# KiCad board Marble.kicad_pcb (continued)
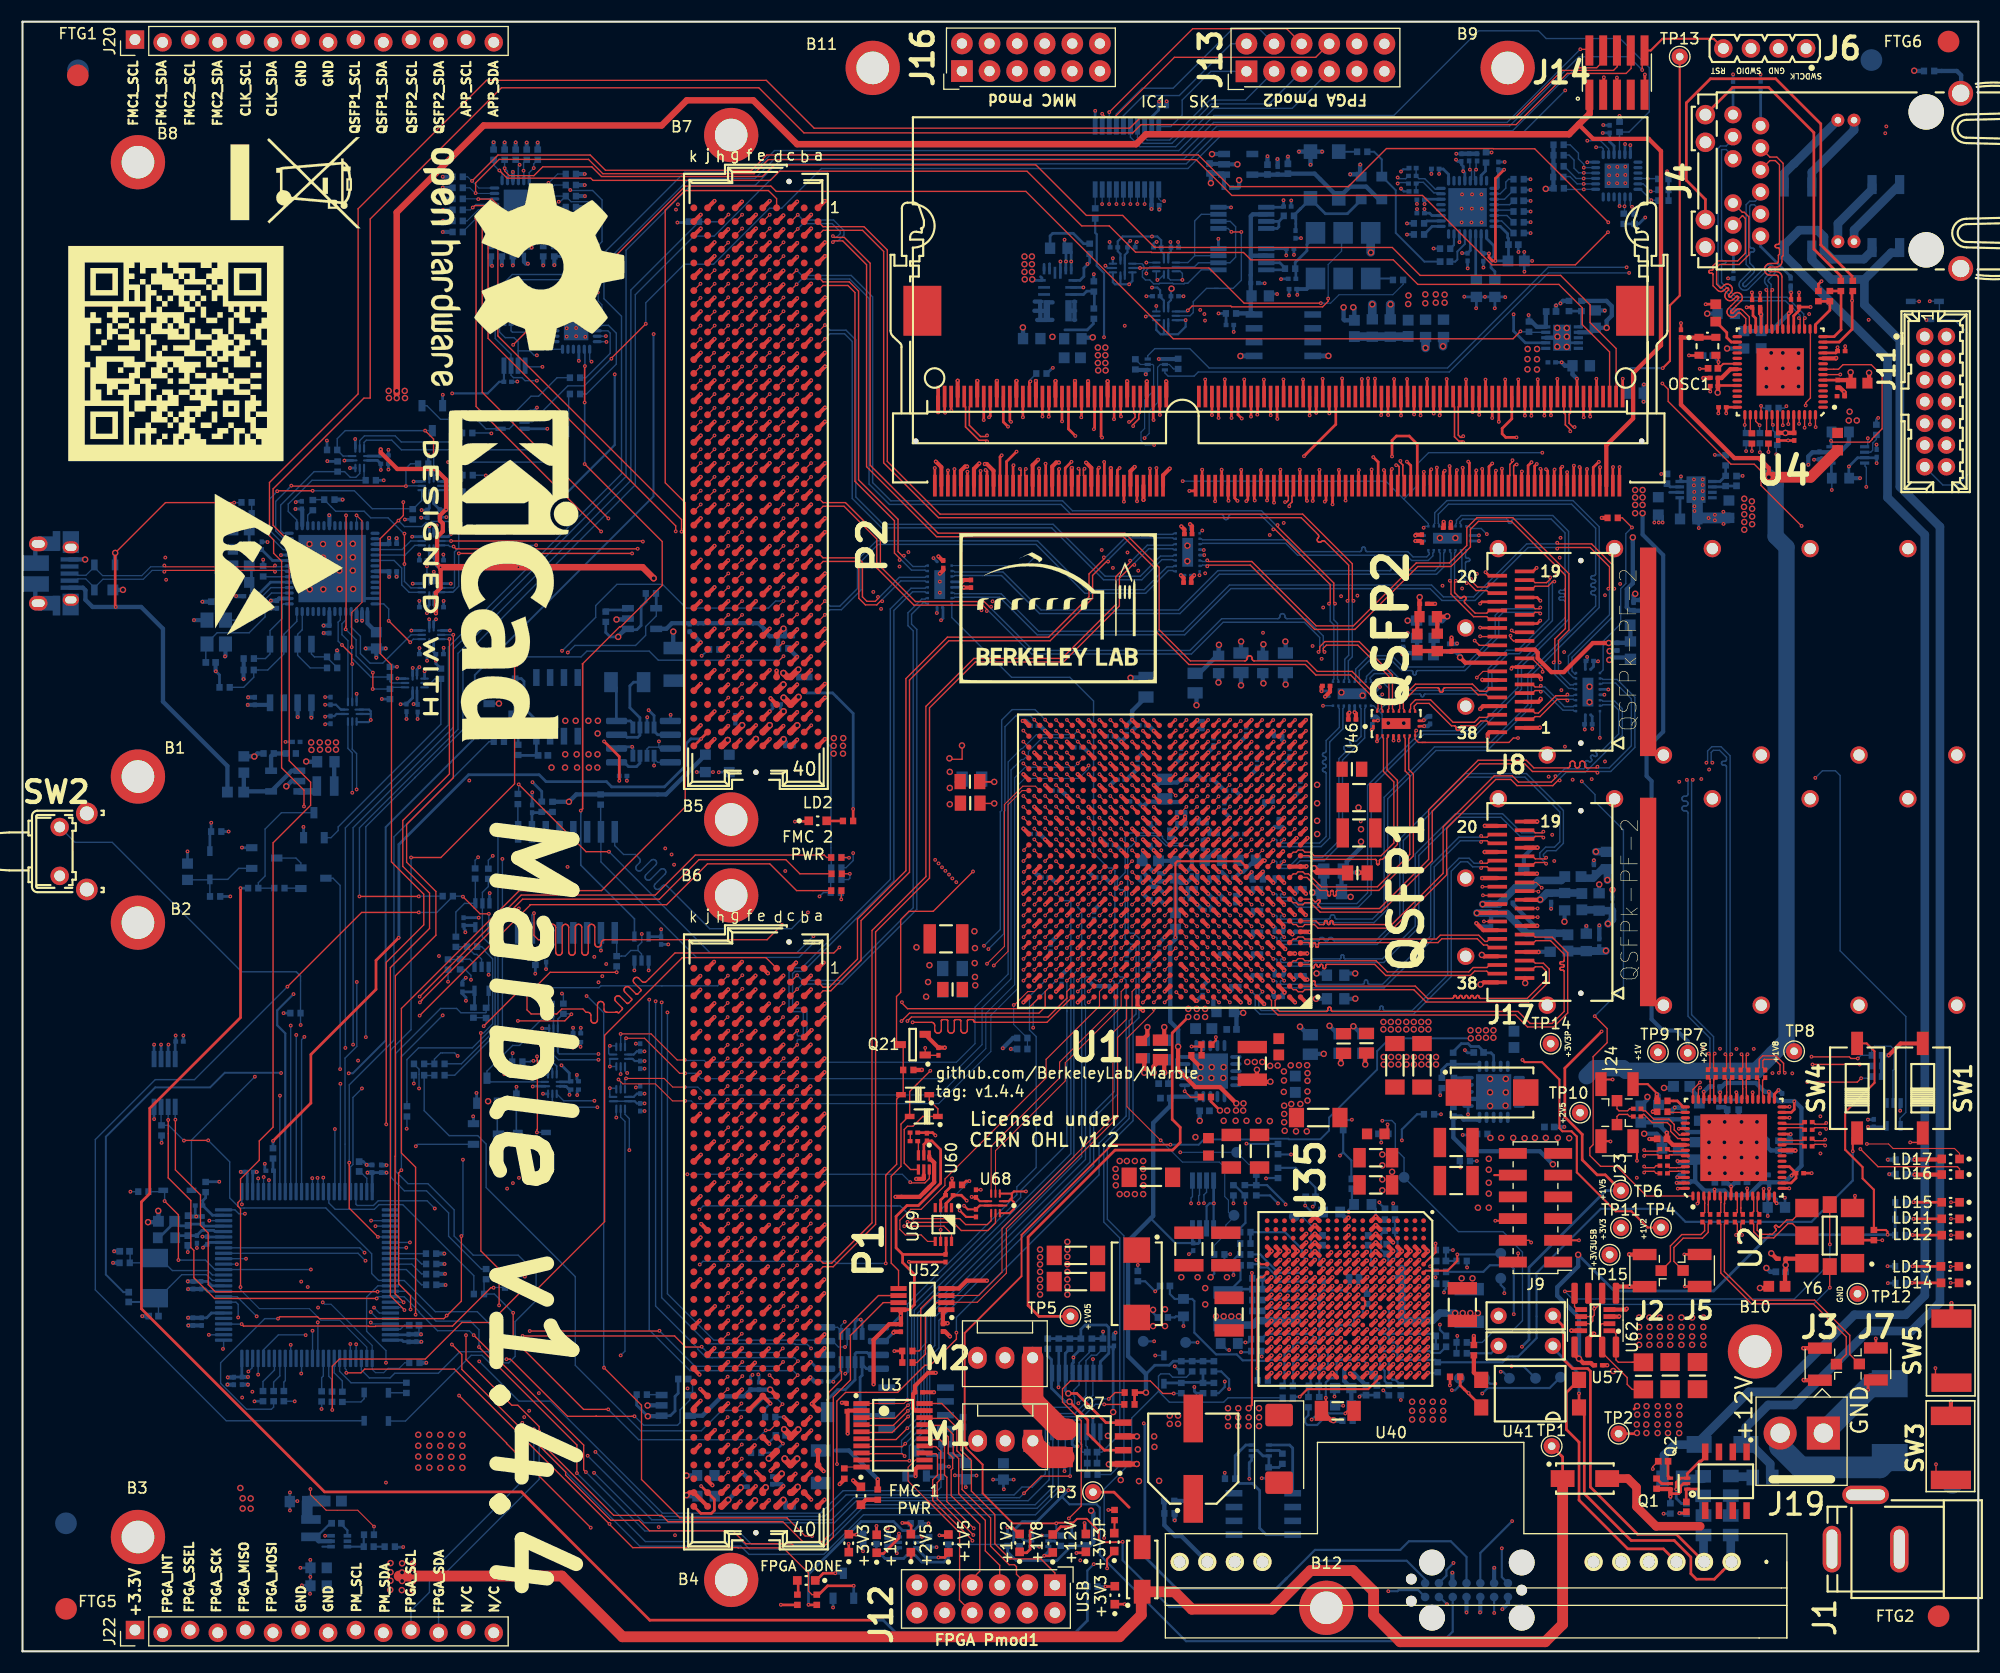
[diagram p0: board, top side]
## Routing (per net, layer and track width the routed paths; a pad name or vN(x,y) marks a point on that pad's centre or on a via; arc(x,y) is an arc through that point) (continued)
/FPGA/DDR3_DQ45: length 39.6
  Top w0.254: U1.AE6 v1(113.12,84.73) ; SK1.148 130.47,113.81 v1(130.43,113.77)
  In7.Cu w0.135: v1(130.43,113.77) 127.8,111.14 126.17,111.14 125.64,110.61 125.64,108.57 117.04,99.96 117.04,91.24 113.47,87.67 113.47,85.08 v1(113.12,84.73)
/FPGA/DDR3_DQ46: length 39.6
  Top w0.254: SK1.158 133.47,114.08 v1(133.46,114.07) ; U1.AF3 v1(116.12,85.73)
  In2.Cu w0.135: v1(116.12,85.73) 116.12,87.96 118.32,90.16 118.32,93.53 119.15,94.35 119.15,99.23 128.17,108.25 128.17,109.2 130.6,111.63 130.62,111.65 130.64,111.66 130.67,111.66 130.7,111.66 130.72,111.66 130.75,111.65 130.79,111.61 130.82,111.6 130.84,111.59 130.87,111.59 130.9,111.6 130.92,111.61 130.94,111.63 131.2,111.88 131.21,111.9 131.22,111.93 131.23,111.95 131.23,111.98 131.22,112.01 131.21,112.03 131.2,112.05 131.11,112.14 131.13,112.16 130.71,112.58 130.67,112.63 130.64,112.69 130.62,112.76 130.62,112.83 130.64,112.89 130.67,112.95 130.71,113.01 130.76,113.05 130.82,113.08 130.89,113.09 130.95,113.09 131.02,113.08 131.08,113.05 131.13,113.01 131.34,112.8 131.39,112.75 131.45,112.73 131.52,112.71 131.59,112.71 131.65,112.73 131.71,112.75 131.76,112.8 133.04,114.07 v1(133.46,114.07)
/FPGA/DDR3_DQ47: length 39.7
  Top w0.2: 116.11,84.73 v1(116.13,84.73)
  Top w0.254: SK1.160 134.07,113.82 v1(134.07,113.82) ; U1.AE3 116.11,84.73
  In2.Cu w0.135: v1(116.13,84.73) 116.58,85.18 116.58,87.63 123.31,94.36 123.31,102.66 128.61,107.95 128.61,108.86 132.52,112.77 133.84,112.77 134.07,113 v1(134.07,113.82)
/FPGA/DDR3_DQ48: length 49.2
  Top w0.254: U1.AA3 v1(116.12,80.73) ; SK1.163 134.97,109.04 v1(135.26,109.34)
  In4.Cu w0.135: v1(116.12,80.73) 116.47,81.08 116.47,81.11 116.71,81.35 120.28,81.35 123.05,84.12 123.05,85.25 127.62,89.82 127.62,92.04 126.44,93.22 126.44,97.21 131.24,102.01 132.09,102.01 133.65,103.57 133.66,103.58 133.68,103.59 133.7,103.59 133.72,103.59 133.74,103.59 133.76,103.58 133.79,103.56 133.81,103.55 133.83,103.54 133.85,103.54 133.87,103.55 133.88,103.56 133.9,103.57 134.2,103.87 134.21,103.88 134.22,103.9 134.22,103.92 134.22,103.94 134.22,103.96 134.21,103.98 134.2,103.99 133.69,104.5 133.65,104.55 133.62,104.61 133.6,104.68 133.6,104.75 133.62,104.81 133.65,104.87 133.69,104.92 133.74,104.97 133.8,104.99 133.87,105.01 133.94,105.01 134,104.99 134.06,104.97 134.12,104.92 134.35,104.69 134.4,104.65 134.46,104.62 134.53,104.61 134.59,104.61 134.66,104.62 134.72,104.65 134.77,104.69 135.09,105.01 135.09,105.37 135.08,105.44 135.06,105.5 135.02,105.56 134.98,105.61 134.92,105.64 134.86,105.67 134.79,105.67 134.46,105.67 134.39,105.68 134.33,105.7 134.27,105.74 134.23,105.79 134.19,105.84 134.17,105.91 134.16,105.97 134.17,106.04 134.19,106.1 134.23,106.16 134.27,106.21 134.33,106.24 134.39,106.27 134.46,106.27 135.72,106.27 135.79,106.28 135.85,106.3 135.91,106.34 135.95,106.39 135.99,106.44 136.01,106.51 136.02,106.57 136.01,106.64 135.99,106.7 135.95,106.76 135.91,106.81 135.85,106.84 135.79,106.87 135.72,106.87 134.46,106.87 134.39,106.88 134.33,106.9 134.27,106.94 134.23,106.99 134.19,107.04 134.17,107.11 134.16,107.17 134.17,107.24 134.19,107.3 134.23,107.36 134.27,107.41 134.33,107.44 134.39,107.47 134.46,107.47 134.79,107.47 134.86,107.48 134.92,107.5 134.98,107.54 135.02,107.59 135.06,107.64 135.08,107.71 135.09,107.77 135.09,109.16 v1(135.26,109.34)
  In7.Cu w0.112: v1(116.12,80.73) 116.12,80.75
/FPGA/DDR3_DQ49: length 48.5
  Top w0.254: U1.AC2 v1(117.12,82.73) ; SK1.165 135.57,108.64 v1(135.61,108.68)
  In7.Cu w0.135: v1(135.61,108.68) 134.92,108.68 134.25,108.01 134.2,107.97 134.14,107.94 134.08,107.93 134.01,107.93 133.94,107.94 133.88,107.97 133.83,108.01 133.83,108.01 133.78,108.05 133.72,108.08 133.65,108.1 133.58,108.1 133.52,108.08 133.46,108.05 133.4,108.01 133.36,107.96 133.33,107.9 133.32,107.83 133.32,107.77 133.33,107.7 133.36,107.64 133.4,107.59 133.83,107.16 133.87,107.11 133.9,107.05 133.92,106.98 133.92,106.92 133.9,106.85 133.87,106.79 133.83,106.74 133.78,106.7 133.72,106.67 133.65,106.65 133.59,106.65 133.52,106.67 133.46,106.7 133.41,106.74 133.41,106.74 133.35,106.78 133.29,106.81 133.23,106.82 133.16,106.82 133.09,106.81 133.03,106.78 132.98,106.74 132.09,105.84 132.04,105.8 131.97,105.77 131.91,105.76 131.84,105.76 131.78,105.77 131.72,105.8 131.66,105.84 131.42,106.09 131.37,106.13 131.31,106.16 131.24,106.17 131.18,106.17 131.11,106.16 131.05,106.13 131,106.09 130.96,106.03 130.93,105.97 130.91,105.91 130.91,105.84 130.93,105.77 130.96,105.71 131,105.66 131.83,104.83 131.88,104.77 131.91,104.71 131.92,104.65 131.92,104.58 131.91,104.51 131.88,104.45 131.83,104.4 131.78,104.36 131.72,104.33 131.66,104.32 131.59,104.32 131.52,104.33 131.46,104.36 131.41,104.4 131.24,104.57 131.19,104.61 131.13,104.64 131.06,104.66 130.99,104.66 130.93,104.64 130.87,104.61 130.82,104.57 130.39,104.14 130.39,103.81 130.33,103.77 130.27,103.74 130.21,103.73 130.14,103.73 130.08,103.74 130.01,103.77 129.96,103.81 129.72,104.05 129.67,104.1 129.61,104.12 129.54,104.14 129.48,104.14 129.41,104.12 129.35,104.1 129.3,104.05 129.25,104 129.23,103.94 129.21,103.88 129.21,103.81 129.23,103.74 129.25,103.68 129.3,103.63 129.94,102.99 129.98,102.94 130.01,102.88 130.02,102.82 130.02,102.76 130.01,102.7 129.98,102.65 129.94,102.6 129.9,102.56 129.85,102.52 129.8,102.5 129.74,102.48 129.68,102.48 129.62,102.5 129.56,102.52 129.52,102.56 129.12,102.96 129.07,103 129.01,103.03 128.94,103.05 128.87,103.05 128.81,103.03 128.75,103 128.7,102.96 128.69,102.95 128.65,102.9 128.62,102.84 128.61,102.78 128.61,102.71 128.62,102.65 128.65,102.59 128.69,102.54 129.35,101.87 129.4,101.82 129.43,101.76 129.44,101.7 129.44,101.63 129.43,101.56 129.4,101.5 129.35,101.45 129.3,101.41 129.24,101.38 129.18,101.36 129.11,101.36 129.04,101.38 128.98,101.41 128.93,101.45 128.69,101.69 128.64,101.73 128.58,101.76 128.51,101.78 128.44,101.78 128.38,101.76 128.32,101.73 128.21,101.65 128.15,101.62 128.09,101.61 128.02,101.61 127.95,101.62 127.89,101.65 127.84,101.69 127.6,101.93 127.55,101.97 127.49,102 127.42,102.02 127.35,102.02 127.29,102 127.23,101.97 127.18,101.93 127.13,101.88 127.1,101.82 127.09,101.75 127.09,101.69 127.1,101.62 127.13,101.56 127.18,101.51 127.42,101.27 127.46,101.21 127.49,101.15 127.5,101.09 127.5,101.02 127.49,100.96 127.46,100.9 127.42,100.84 126.86,100.28 126.86,93.32 123.88,90.35 123.88,86.32 120.64,83.08 117.47,83.08 v1(117.12,82.73)
/FPGA/DDR3_DQ50: length 48.5
  Top w0.254: U1.V2 v1(117.12,77.73) ; v1(138.88,109.45) 138.57,109.14 SK1.175
  In2.Cu w0.135: v1(117.12,77.73) 117.46,78.07 118.48,78.07 118.97,78.57 119.98,78.57 125.41,84 125.41,84.42 126.9,85.91 127.66,85.91 134.83,93.08 134.83,98.45 138.54,102.16 138.54,103.6 138.53,103.67 138.51,103.73 138.47,103.79 138.42,103.84 138.37,103.87 138.3,103.9 138.24,103.9 137.97,103.9 137.9,103.91 137.84,103.93 137.78,103.97 137.74,104.02 137.7,104.07 137.68,104.14 137.67,104.2 137.68,104.27 137.7,104.33 137.74,104.39 137.78,104.44 137.84,104.47 137.9,104.5 137.97,104.5 138.69,104.5 138.73,104.51 138.76,104.52 138.79,104.54 138.82,104.56 138.83,104.59 138.85,104.63 138.85,104.66 138.85,104.95 138.85,104.98 138.83,105.01 138.82,105.04 138.79,105.07 138.76,105.09 138.73,105.1 138.69,105.1 137.97,105.1 137.9,105.11 137.84,105.13 137.78,105.17 137.74,105.22 137.7,105.27 137.68,105.34 137.67,105.4 137.68,105.47 137.7,105.53 137.74,105.59 137.78,105.64 137.84,105.67 137.9,105.7 137.97,105.7 138.24,105.7 138.3,105.71 138.37,105.73 138.42,105.77 138.47,105.82 138.51,105.87 138.53,105.94 138.54,106 138.54,107.12 138.88,107.47 v1(138.88,109.45)
/FPGA/DDR3_DQ51: length 48.6
  Top w0.254: v1(139.37,109.29) 139.17,109.09 SK1.177 ; U1.V1 v1(118.12,77.73)
  In2.Cu w0.135: v1(118.12,77.73) 118.57,77.73 118.71,77.59 119.97,77.59 125.74,83.35 125.74,83.9 126.02,84.18 126.76,84.18 135.24,92.66 135.24,98.3 139.18,102.24 139.18,103.51 139.17,103.55 139.16,103.59 139.13,103.63 139.1,103.66 139.07,103.68 139.03,103.69 138.94,103.7 138.9,103.72 138.86,103.74 138.83,103.77 138.81,103.81 138.8,103.85 138.79,103.89 138.79,104.11 138.8,104.15 138.81,104.19 138.83,104.23 138.86,104.26 138.9,104.28 138.94,104.29 138.98,104.3 139.76,104.3 139.83,104.31 139.89,104.33 139.95,104.36 139.99,104.41 140.03,104.47 140.05,104.53 140.06,104.6 140.05,104.67 140.03,104.73 139.99,104.79 139.95,104.83 139.89,104.87 139.83,104.89 139.76,104.9 139.48,104.9 139.41,104.91 139.35,104.93 139.29,104.96 139.24,105.01 139.21,105.07 139.18,105.13 139.18,105.2 139.18,105.27 139.21,105.33 139.24,105.39 139.29,105.43 139.35,105.47 139.41,105.49 139.48,105.5 139.76,105.5 139.83,105.51 139.89,105.53 139.95,105.56 139.99,105.61 140.03,105.67 140.05,105.73 140.06,105.8 140.05,105.87 140.03,105.93 139.99,105.99 139.95,106.03 139.89,106.07 139.83,106.09 139.76,106.1 139.18,106.1 139.18,106.13 139.01,106.13 138.97,106.14 138.94,106.15 138.91,106.17 138.88,106.19 138.86,106.23 138.85,106.26 138.84,106.3 138.84,106.57 138.85,106.6 138.86,106.64 138.88,106.67 138.91,106.7 138.94,106.72 138.97,106.73 139.05,106.74 139.08,106.75 139.11,106.77 139.14,106.79 139.16,106.83 139.17,106.86 139.18,106.9 139.18,109.1 v1(139.37,109.29)
/FPGA/DDR3_DQ52: length 51.6
  Top w0.254: SK1.164 135.27,113.53 v1(135.26,113.53) ; U1.AB2 v1(117.12,81.73)
  In4.Cu w0.135: 119.23,82.06 119.47,82.06 ; 119.23,82.06 119.91,82.06 122.5,84.65 122.5,85.64 123.83,86.97 123.83,88.74 125.8,90.71 125.8,93.92 125.8,93.97 125.78,94.02 125.75,94.07 125.71,94.11 125.66,94.14 125.61,94.16 125.5,94.17 125.44,94.19 125.4,94.22 125.36,94.26 125.33,94.31 125.31,94.36 125.3,94.42 125.3,94.52 125.31,94.57 125.33,94.62 125.36,94.67 125.4,94.71 125.44,94.74 125.5,94.76 125.55,94.77 125.98,94.77 126.02,94.77 126.05,94.78 126.09,94.8 126.12,94.83 126.14,94.86 126.15,94.9 126.15,94.94 126.15,95.19 126.15,95.23 126.14,95.27 126.12,95.3 126.09,95.33 126.05,95.35 126.02,95.36 125.98,95.37 125.55,95.37 125.5,95.37 125.44,95.39 125.4,95.42 125.36,95.46 125.33,95.51 125.31,95.56 125.3,95.62 125.3,95.72 125.31,95.77 125.33,95.82 125.36,95.87 125.4,95.91 125.44,95.94 125.5,95.96 125.55,95.97 125.98,95.97 126.02,95.97 126.05,95.98 126.09,96 126.12,96.03 126.14,96.06 126.15,96.1 126.15,96.14 126.15,96.39 126.15,96.43 126.14,96.47 126.12,96.5 126.09,96.53 126.05,96.55 126.02,96.56 125.98,96.57 125.55,96.57 125.5,96.57 125.44,96.59 125.4,96.62 125.36,96.66 125.33,96.71 125.31,96.76 125.3,96.82 125.3,96.92 125.31,96.97 125.33,97.02 125.36,97.07 125.4,97.11 125.44,97.14 125.5,97.16 125.61,97.17 125.66,97.19 125.71,97.22 125.75,97.26 125.78,97.31 125.8,97.36 125.8,97.42 125.8,97.62 126.24,98.05 126.28,98.08 126.32,98.1 126.37,98.12 126.42,98.12 126.47,98.1 126.52,98.08 126.6,98.02 126.64,98 126.69,97.99 126.74,97.99 126.79,98 126.84,98.02 126.88,98.05 126.98,98.16 127.01,98.2 127.04,98.24 127.05,98.29 127.05,98.34 127.04,98.39 127.01,98.44 126.98,98.48 126.61,98.85 126.57,98.9 126.54,98.96 126.52,99.03 126.52,99.09 126.54,99.16 126.57,99.22 126.61,99.27 126.66,99.31 126.72,99.34 126.79,99.36 126.86,99.36 126.92,99.34 126.98,99.31 127.03,99.27 127.41,98.9 127.45,98.87 127.49,98.85 127.54,98.84 127.59,98.84 127.64,98.85 127.68,98.87 127.72,98.9 127.83,99.01 127.86,99.05 127.88,99.09 127.89,99.14 127.89,99.19 127.88,99.24 127.86,99.28 127.83,99.32 127.46,99.7 127.42,99.75 127.39,99.81 127.37,99.87 127.37,99.94 127.39,100.01 127.42,100.07 127.46,100.12 127.51,100.16 127.57,100.19 127.64,100.21 127.7,100.21 127.77,100.19 127.83,100.16 127.88,100.12 128.25,99.75 128.29,99.72 128.34,99.7 128.39,99.68 128.44,99.68 128.49,99.7 128.53,99.72 128.57,99.75 128.68,99.85 128.71,99.89 128.73,99.94 128.74,99.99 128.74,100.04 128.73,100.09 128.71,100.13 128.68,100.17 128.31,100.54 128.27,100.6 128.24,100.66 128.22,100.72 128.22,100.79 128.24,100.86 128.27,100.92 128.31,100.97 128.36,101.01 128.42,101.04 128.49,101.05 128.55,101.05 128.62,101.04 128.68,101.01 128.78,100.93 128.84,100.9 128.91,100.88 128.98,100.88 129.04,100.9 129.1,100.93 129.16,100.97 129.73,101.54 129.73,102.67 130.39,103.33 130.39,104.14 134.72,108.48 134.72,112.98 v1(135.26,113.53) ; 119.23,82.06 117.45,82.06 v1(117.12,81.73)
/FPGA/DDR3_DQ53: length 48.5
  Top w0.254: U1.Y3 v1(116.12,79.73) ; v1(135.87,113.17) 135.87,113.18 SK1.166
  In4.Cu w0.135: v1(116.12,79.73) 116.5,80.11 116.5,80.68 116.91,81.09 121.05,81.09 123.71,83.75 123.71,85.25 127.98,89.51 127.98,97.79 131.63,101.45 132.19,101.45 136.93,106.2 136.93,109.13 135.57,110.49 135.57,112.62 135.87,112.93 v1(135.87,113.17)
/FPGA/DDR3_DQ54: length 48.4
  Top w0.254: U1.Y2 v1(117.12,79.73) ; SK1.174 138.27,113.75 v1(138.27,113.74)
  In2.Cu w0.135: v1(138.27,113.74) 137.98,113.45 137.98,109.48 137.86,109.36 137.86,109.08 133.55,104.76 133.55,103.38 129.56,99.39 129.56,91.35 128.88,90.67 128.83,90.63 128.78,90.61 128.73,90.6 128.67,90.6 128.62,90.61 128.57,90.63 128.52,90.67 128.21,90.99 128.16,91.02 128.11,91.05 128.06,91.06 128,91.06 127.95,91.05 127.9,91.02 127.85,90.99 127.82,90.94 127.79,90.89 127.78,90.84 127.78,90.78 127.79,90.73 127.82,90.68 127.85,90.63 128.56,89.93 128.59,89.88 128.62,89.83 128.63,89.78 128.63,89.72 128.62,89.67 128.59,89.62 128.56,89.57 128.51,89.54 128.46,89.51 128.41,89.5 128.35,89.5 128.3,89.51 128.25,89.54 128.21,89.57 128.17,89.61 128.13,89.64 128.08,89.67 128.02,89.68 127.96,89.68 127.91,89.67 127.86,89.64 127.82,89.61 123.54,85.33 123.54,84.72 119.91,81.09 118.97,81.09 117.61,79.73 v1(117.12,79.73)
/FPGA/DDR3_DQ55: length 51.5
  Top w0.254: U1.Y1 v1(118.12,79.73) ; SK1.176 138.87,113.74 v1(138.87,113.73)
  In2.Cu w0.135: v1(118.12,79.73) 118.12,79.86 118.91,80.65 119.8,80.65 ; 119.8,80.65 119.89,80.65 ; 119.8,80.65 120.51,80.65 124.04,84.18 124.09,84.22 124.13,84.24 124.19,84.25 124.24,84.25 124.29,84.24 124.34,84.22 124.42,84.15 124.47,84.13 124.52,84.12 124.58,84.12 124.63,84.13 124.68,84.15 124.72,84.18 124.8,84.27 124.84,84.31 124.86,84.36 124.87,84.41 124.87,84.47 124.86,84.52 124.84,84.57 124.8,84.61 124.64,84.78 124.65,84.78 124.58,84.85 124.57,84.86 124.56,84.88 124.56,84.9 124.56,84.92 124.56,84.94 124.57,84.96 124.58,84.97 124.88,85.27 124.9,85.28 124.92,85.29 124.94,85.3 124.96,85.3 124.97,85.29 124.99,85.28 125.02,85.26 125.04,85.25 125.06,85.25 125.08,85.25 125.1,85.25 125.12,85.26 125.13,85.27 125.13,85.77 125.62,86.26 125.68,86.3 125.74,86.33 125.8,86.35 125.87,86.35 125.94,86.33 126,86.3 126.05,86.26 126.24,86.07 126.3,86.02 126.36,85.99 126.42,85.98 126.49,85.98 126.55,85.99 126.61,86.02 126.67,86.07 126.71,86.12 126.74,86.18 126.75,86.24 126.75,86.31 126.74,86.38 126.71,86.44 126.67,86.49 126.07,87.08 126.04,87.13 126.01,87.18 126,87.24 126,87.3 126.01,87.35 126.04,87.41 126.07,87.45 126.13,87.51 126.17,87.54 126.23,87.57 126.28,87.58 126.34,87.58 126.4,87.57 126.45,87.54 126.5,87.51 127.13,86.88 127.18,86.84 127.24,86.81 127.31,86.79 127.37,86.79 127.44,86.81 127.5,86.84 127.55,86.88 127.59,86.93 127.62,86.99 127.64,87.06 127.64,87.12 127.62,87.19 127.59,87.25 127.55,87.3 127.11,87.74 127.12,87.75 126.93,87.94 126.9,87.99 126.87,88.04 126.86,88.1 126.86,88.15 126.87,88.21 126.9,88.26 126.93,88.31 126.98,88.36 127.03,88.4 127.08,88.43 127.14,88.44 127.2,88.44 127.26,88.43 127.31,88.4 127.4,88.33 127.45,88.3 127.51,88.29 127.57,88.29 127.63,88.3 127.68,88.33 127.73,88.36 128.94,89.58 130.11,90.73 130.38,91 130.38,97.89 130.35,97.92 130.35,98.25 130.38,98.28 130.38,99.27 133.69,102.58 133.69,102.95 134.38,103.64 134.38,104.05 138.43,108.11 138.43,110.07 138.87,110.52 v1(138.87,113.73)
/FPGA/DDR3_DQ56: length 57.3
  Top w0.254: U1.W3 v1(116.12,78.73) ; v1(140.22,108.8) 140.37,108.65 SK1.181
  In4.Cu w0.135: v1(116.12,78.73) 116.46,79.07 116.46,79.45 116.74,79.72 116.74,80.03 117.04,80.33 121.16,80.33 121.54,80.71 124.32,83.57 124.32,84.46 125.23,85.37 125.23,85.66 128.5,88.92 128.5,96.24 129.98,97.73 129.98,98.95 132.06,101.03 133.78,101.03 135.4,102.66 135.45,102.71 135.48,102.77 135.49,102.83 135.49,102.9 135.48,102.97 135.45,103.03 135.4,103.08 135.19,103.29 135.15,103.34 135.12,103.4 135.11,103.47 135.11,103.54 135.12,103.6 135.15,103.66 135.19,103.71 135.25,103.76 135.31,103.79 135.37,103.8 135.44,103.8 135.51,103.79 135.57,103.76 135.62,103.71 136.29,103.05 136.34,103 136.4,102.97 136.47,102.96 136.53,102.96 136.6,102.97 136.66,103 136.71,103.05 136.75,103.1 136.78,103.16 136.8,103.22 136.8,103.29 136.78,103.36 136.75,103.42 136.71,103.47 136.04,104.14 136,104.19 135.97,104.25 135.96,104.32 135.96,104.38 135.97,104.45 136,104.51 136.04,104.56 136.09,104.61 136.16,104.63 136.22,104.65 136.29,104.65 136.35,104.63 136.41,104.61 136.47,104.56 137.14,103.89 137.19,103.85 137.25,103.82 137.31,103.81 137.38,103.81 137.45,103.82 137.51,103.85 137.56,103.89 137.6,103.95 137.63,104.01 137.65,104.07 137.65,104.14 137.63,104.21 137.6,104.27 137.56,104.32 136.89,104.99 136.85,105.04 136.82,105.1 136.8,105.17 136.8,105.23 136.82,105.3 136.85,105.36 136.89,105.41 136.94,105.45 137,105.48 137.07,105.5 137.14,105.5 137.2,105.48 137.26,105.45 137.32,105.41 137.98,104.74 138.04,104.7 138.1,104.67 138.16,104.66 138.23,104.66 138.3,104.67 138.36,104.7 138.41,104.74 138.45,104.8 138.48,104.86 138.49,104.92 138.49,104.99 138.48,105.05 138.45,105.11 138.41,105.17 137.74,105.84 137.7,105.89 137.67,105.95 137.65,106.01 137.65,106.08 137.67,106.15 137.7,106.21 137.74,106.26 137.79,106.3 137.85,106.33 137.92,106.35 137.99,106.35 138.05,106.33 138.11,106.3 138.16,106.26 138.83,105.59 138.89,105.55 138.95,105.52 139.01,105.51 139.08,105.51 139.14,105.52 139.2,105.55 139.26,105.59 139.3,105.64 139.33,105.7 139.34,105.77 139.34,105.84 139.33,105.9 139.3,105.96 139.26,106.02 138.59,106.68 138.55,106.74 138.52,106.8 138.5,106.86 138.5,106.93 138.52,107 138.55,107.06 138.59,107.11 138.64,107.15 138.7,107.18 138.77,107.19 138.83,107.19 138.9,107.18 138.96,107.15 139.01,107.11 139.22,106.9 139.28,106.86 139.34,106.83 139.4,106.81 139.47,106.81 139.53,106.83 139.59,106.86 139.65,106.9 139.98,107.23 139.98,108.56 v1(140.22,108.8)
/FPGA/DDR3_DQ57: length 57.3
  Top w0.254: U1.V4 v1(115.12,77.73) ; SK1.183 140.97,108.74 v1(141.01,108.78)
  In4.Cu w0.135: v1(141.01,108.78) 141.01,106.12 137.49,102.6 137.49,100.27 137.33,100.11 137.3,100.09 137.27,100.08 137.24,100.07 137.21,100.07 137.17,100.08 137.14,100.09 137.09,100.13 137.06,100.15 137.03,100.15 136.99,100.15 136.96,100.15 136.93,100.13 136.9,100.11 136.69,99.9 136.67,99.87 136.66,99.84 136.65,99.81 136.65,99.78 136.66,99.74 136.67,99.71 136.69,99.69 136.99,99.39 137.03,99.34 137.06,99.28 137.07,99.22 137.07,99.16 137.06,99.1 137.03,99.05 136.99,99 136.96,98.96 136.91,98.92 136.85,98.9 136.79,98.88 136.73,98.88 136.67,98.9 136.62,98.92 136.57,98.96 136.27,99.26 136.24,99.28 136.21,99.3 136.18,99.31 136.15,99.31 136.11,99.3 136.08,99.28 136.06,99.26 135.84,99.05 135.82,99.02 135.81,98.99 135.8,98.96 135.8,98.93 135.81,98.89 135.82,98.86 135.84,98.84 136.14,98.54 136.18,98.49 136.21,98.43 136.22,98.37 136.22,98.31 136.21,98.25 136.18,98.2 136.14,98.15 136.11,98.11 136.06,98.07 136.01,98.05 135.95,98.03 135.88,98.03 135.82,98.05 135.77,98.07 135.72,98.11 135.42,98.41 135.39,98.43 135.36,98.45 135.33,98.46 135.3,98.46 135.26,98.45 135.23,98.43 135.21,98.41 135,98.2 134.97,98.18 134.96,98.15 134.95,98.11 134.95,98.08 134.96,98.05 134.97,98.02 135,97.99 135.3,97.69 135.33,97.64 135.36,97.59 135.37,97.53 135.37,97.46 135.36,97.4 135.33,97.35 135.3,97.3 135.26,97.26 135.21,97.23 135.16,97.2 135.1,97.19 135.04,97.19 134.98,97.2 134.92,97.23 134.87,97.26 134.57,97.57 134.54,97.59 134.51,97.6 134.48,97.61 134.45,97.61 134.42,97.6 134.39,97.59 134.36,97.57 134.15,97.35 134.13,97.33 134.11,97.3 134.1,97.26 134.1,97.23 134.11,97.2 134.13,97.17 134.17,97.11 134.18,97.08 134.19,97.05 134.19,97.02 134.18,96.99 134.17,96.96 134.15,96.93 133.66,96.45 130.71,96.45 129.54,95.28 129.54,94.82 129.53,94.79 129.52,94.76 129.5,94.73 129.48,94.7 129.45,94.69 129.42,94.68 129.35,94.67 129.32,94.66 129.29,94.64 129.27,94.61 129.25,94.59 129.24,94.55 129.24,94.52 129.24,94.22 129.24,94.19 129.25,94.16 129.27,94.13 129.29,94.1 129.32,94.09 129.35,94.08 129.39,94.07 129.66,94.07 129.69,94.07 129.72,94.06 129.74,94.04 129.76,94.02 129.77,94 129.78,93.97 129.79,93.95 129.79,93.6 129.78,93.57 129.77,93.54 129.76,93.52 129.74,93.5 129.72,93.48 129.69,93.47 129.66,93.47 129.39,93.47 129.35,93.47 129.32,93.46 129.29,93.44 129.27,93.41 129.25,93.39 129.24,93.35 129.24,93.32 129.24,93.02 129.24,92.99 129.25,92.96 129.27,92.93 129.29,92.9 129.32,92.89 129.35,92.88 129.39,92.87 129.66,92.87 129.69,92.87 129.72,92.86 129.74,92.84 129.76,92.82 129.77,92.8 129.78,92.77 129.79,92.75 129.79,92.4 129.78,92.37 129.77,92.34 129.76,92.32 129.74,92.3 129.72,92.28 129.69,92.27 129.66,92.27 129.39,92.27 129.35,92.27 129.32,92.26 129.29,92.24 129.27,92.21 129.25,92.19 129.24,92.15 129.24,92.12 129.24,91.82 129.24,91.79 129.25,91.76 129.27,91.73 129.29,91.7 129.32,91.69 129.35,91.68 129.39,91.67 129.66,91.67 129.69,91.67 129.72,91.66 129.74,91.64 129.76,91.62 129.77,91.6 129.78,91.57 129.79,91.55 129.79,91.2 129.78,91.17 129.77,91.14 129.76,91.12 129.74,91.1 129.72,91.08 129.69,91.07 129.66,91.07 129.39,91.07 129.35,91.07 129.32,91.06 129.29,91.04 129.27,91.01 129.25,90.99 129.24,90.95 129.24,90.92 129.24,90.62 129.24,90.59 129.25,90.56 129.27,90.53 129.29,90.5 129.32,90.49 129.35,90.48 129.39,90.47 129.66,90.47 129.69,90.47 129.72,90.46 129.74,90.44 129.76,90.42 129.77,90.4 129.78,90.37 129.79,90.35 129.79,90 129.78,89.97 129.77,89.94 129.76,89.92 129.74,89.9 129.72,89.88 129.69,89.87 129.66,89.87 129.39,89.87 129.35,89.87 129.32,89.86 129.29,89.84 129.27,89.81 129.25,89.79 129.24,89.75 129.24,89.72 129.24,89.42 129.24,89.39 129.25,89.36 129.27,89.33 129.29,89.3 129.32,89.29 129.35,89.28 129.42,89.27 129.45,89.26 129.48,89.24 129.5,89.21 129.52,89.19 129.53,89.15 129.54,89.12 129.54,88.41 129.05,87.92 129.04,87.91 129.03,87.91 129.01,87.9 129,87.9 128.99,87.91 128.98,87.91 128.96,87.93 128.94,87.93 128.93,87.94 128.92,87.94 128.91,87.93 128.89,87.93 128.88,87.92 128.54,87.58 128.53,87.57 128.53,87.55 128.53,87.54 128.53,87.53 128.53,87.52 128.53,87.5 128.55,87.48 128.56,87.47 128.56,87.46 128.56,87.45 128.56,87.43 128.55,87.42 128.54,87.41 127.61,86.48 127.61,85.23 127.35,84.97 126.81,84.97 125.84,84 125.84,83.83 125.75,83.75 125.75,83.25 121.33,78.86 118.97,78.86 118.44,78.32 117.19,78.32 116.94,78.07 115.37,78.07 115.12,77.83 v1(115.12,77.73)
/FPGA/DDR3_DQ58: length 57.3
  Top w0.254: U1.U2 v1(117.12,76.73) ; v1(143.3,109.01) 143.37,108.94 SK1.191
  In2.Cu w0.135: v1(117.12,76.73) 117.67,77.28 120.98,77.28 121.83,78.13 127.95,78.13 135.71,85.89 135.71,98.1 141.16,103.55 141.16,106.14 141.15,106.21 141.13,106.27 141.09,106.33 141.04,106.38 140.99,106.41 140.92,106.44 140.86,106.44 140.72,106.44 140.65,106.45 140.59,106.47 140.53,106.51 140.48,106.56 140.45,106.61 140.42,106.68 140.42,106.74 140.42,106.81 140.45,106.87 140.48,106.93 140.53,106.98 140.59,107.01 140.65,107.04 140.72,107.04 140.86,107.04 140.92,107.05 140.99,107.07 141.04,107.11 141.09,107.16 141.13,107.21 141.15,107.28 141.16,107.34 141.16,108.31 141.36,108.51 141.36,110.41 142.15,111.19 143.23,111.19 143.6,110.82 143.6,110.02 143.3,109.73 v1(143.3,109.01)
/FPGA/DDR3_DQ59: length 57.3
  Top w0.254: U1.U1 v1(118.12,76.73) ; v1(143.99,108.83) 143.97,108.81 SK1.193
  In2.Cu w0.135: v1(143.99,108.83) 143.99,111.12 144.29,111.42 144.79,111.42 145.23,110.98 145.23,110.37 144.7,109.83 144.7,106.37 136.19,97.86 136.19,84.94 128.18,76.93 118.32,76.93 v1(118.12,76.73)
/FPGA/DDR3_DQ60: length 57.3
  Top w0.254: U1.V6 v1(113.12,77.73) ; v1(140.07,113.74) 140.07,113.75 SK1.180
  In4.Cu w0.135: v1(140.07,113.74) 140.58,113.23 140.58,113.1 140.57,113.03 140.55,112.97 140.51,112.92 140.47,112.87 140.41,112.84 140.35,112.82 140.23,112.8 140.16,112.78 140.11,112.75 140.06,112.7 140.03,112.65 140.01,112.59 140,112.52 140,112.5 140.01,112.43 140.03,112.37 140.06,112.32 140.11,112.27 140.16,112.24 140.23,112.22 140.29,112.21 140.58,112.21 140.58,112.2 140.86,112.2 140.93,112.19 140.99,112.17 141.04,112.13 141.09,112.09 141.12,112.03 141.14,111.97 141.15,111.91 141.15,111.88 141.14,111.82 141.12,111.76 141.09,111.7 141.04,111.66 140.99,111.62 140.93,111.6 140.8,111.59 140.74,111.57 140.68,111.53 140.64,111.49 140.6,111.43 140.58,111.37 140.58,111.31 140.58,108.65 140.38,108.46 140.38,106.29 136.97,102.88 136.97,100.52 133.47,97.02 130.05,97.02 128.95,95.92 128.95,88.42 126.65,86.12 126.65,85.65 125.4,84.39 125.4,83.76 121.56,79.9 120.93,79.26 117.07,79.26 116.74,78.93 116.74,78.83 116.29,78.39 113.78,78.39 v1(113.12,77.73)
/FPGA/DDR3_DQ61: length 57.4
  Top w0.254: U1.V3 v1(116.12,77.73) ; SK1.182 140.67,113.75 140.67,113.76 v1(140.68,113.77)
  In4.Cu w0.135: 140.62,113.71 140.66,113.81
  In7.Cu w0.135: v1(116.12,77.73) 116.12,78.24 117.08,79.2 119.28,79.2 125.23,85.15 125.23,87.66 125.64,88.06 125.64,89.23 128.12,91.72 128.12,99.42 134.04,105.34 134.55,105.85 134.59,105.9 134.62,105.96 134.63,106.03 134.63,106.09 134.62,106.16 134.59,106.22 134.55,106.27 134.32,106.5 134.28,106.55 134.25,106.62 134.23,106.68 134.23,106.75 134.25,106.81 134.28,106.87 134.32,106.93 134.37,106.97 134.43,107 134.5,107.01 134.56,107.01 134.63,107 134.69,106.97 134.74,106.93 135.63,106.04 135.68,106 135.74,105.97 135.8,105.96 135.87,105.96 135.94,105.97 136,106 136.05,106.04 136.09,106.09 136.12,106.16 136.14,106.22 136.14,106.29 136.12,106.35 136.09,106.41 136.05,106.47 135.17,107.35 135.12,107.4 135.1,107.46 135.08,107.53 135.08,107.6 135.1,107.66 135.12,107.72 135.17,107.77 135.22,107.82 135.28,107.85 135.34,107.86 135.41,107.86 135.48,107.85 135.54,107.82 135.59,107.77 135.82,107.54 135.87,107.5 135.93,107.47 136,107.46 136.07,107.46 136.13,107.47 136.19,107.5 136.24,107.54 136.76,108.06 136.76,109.77 135.71,110.82 135.71,111.79 137.11,113.19 140.42,113.19 140.68,113.44 v1(140.68,113.77)